# Altium PCB Main_Board.PcbDoc (part 14 of 19) (continued)
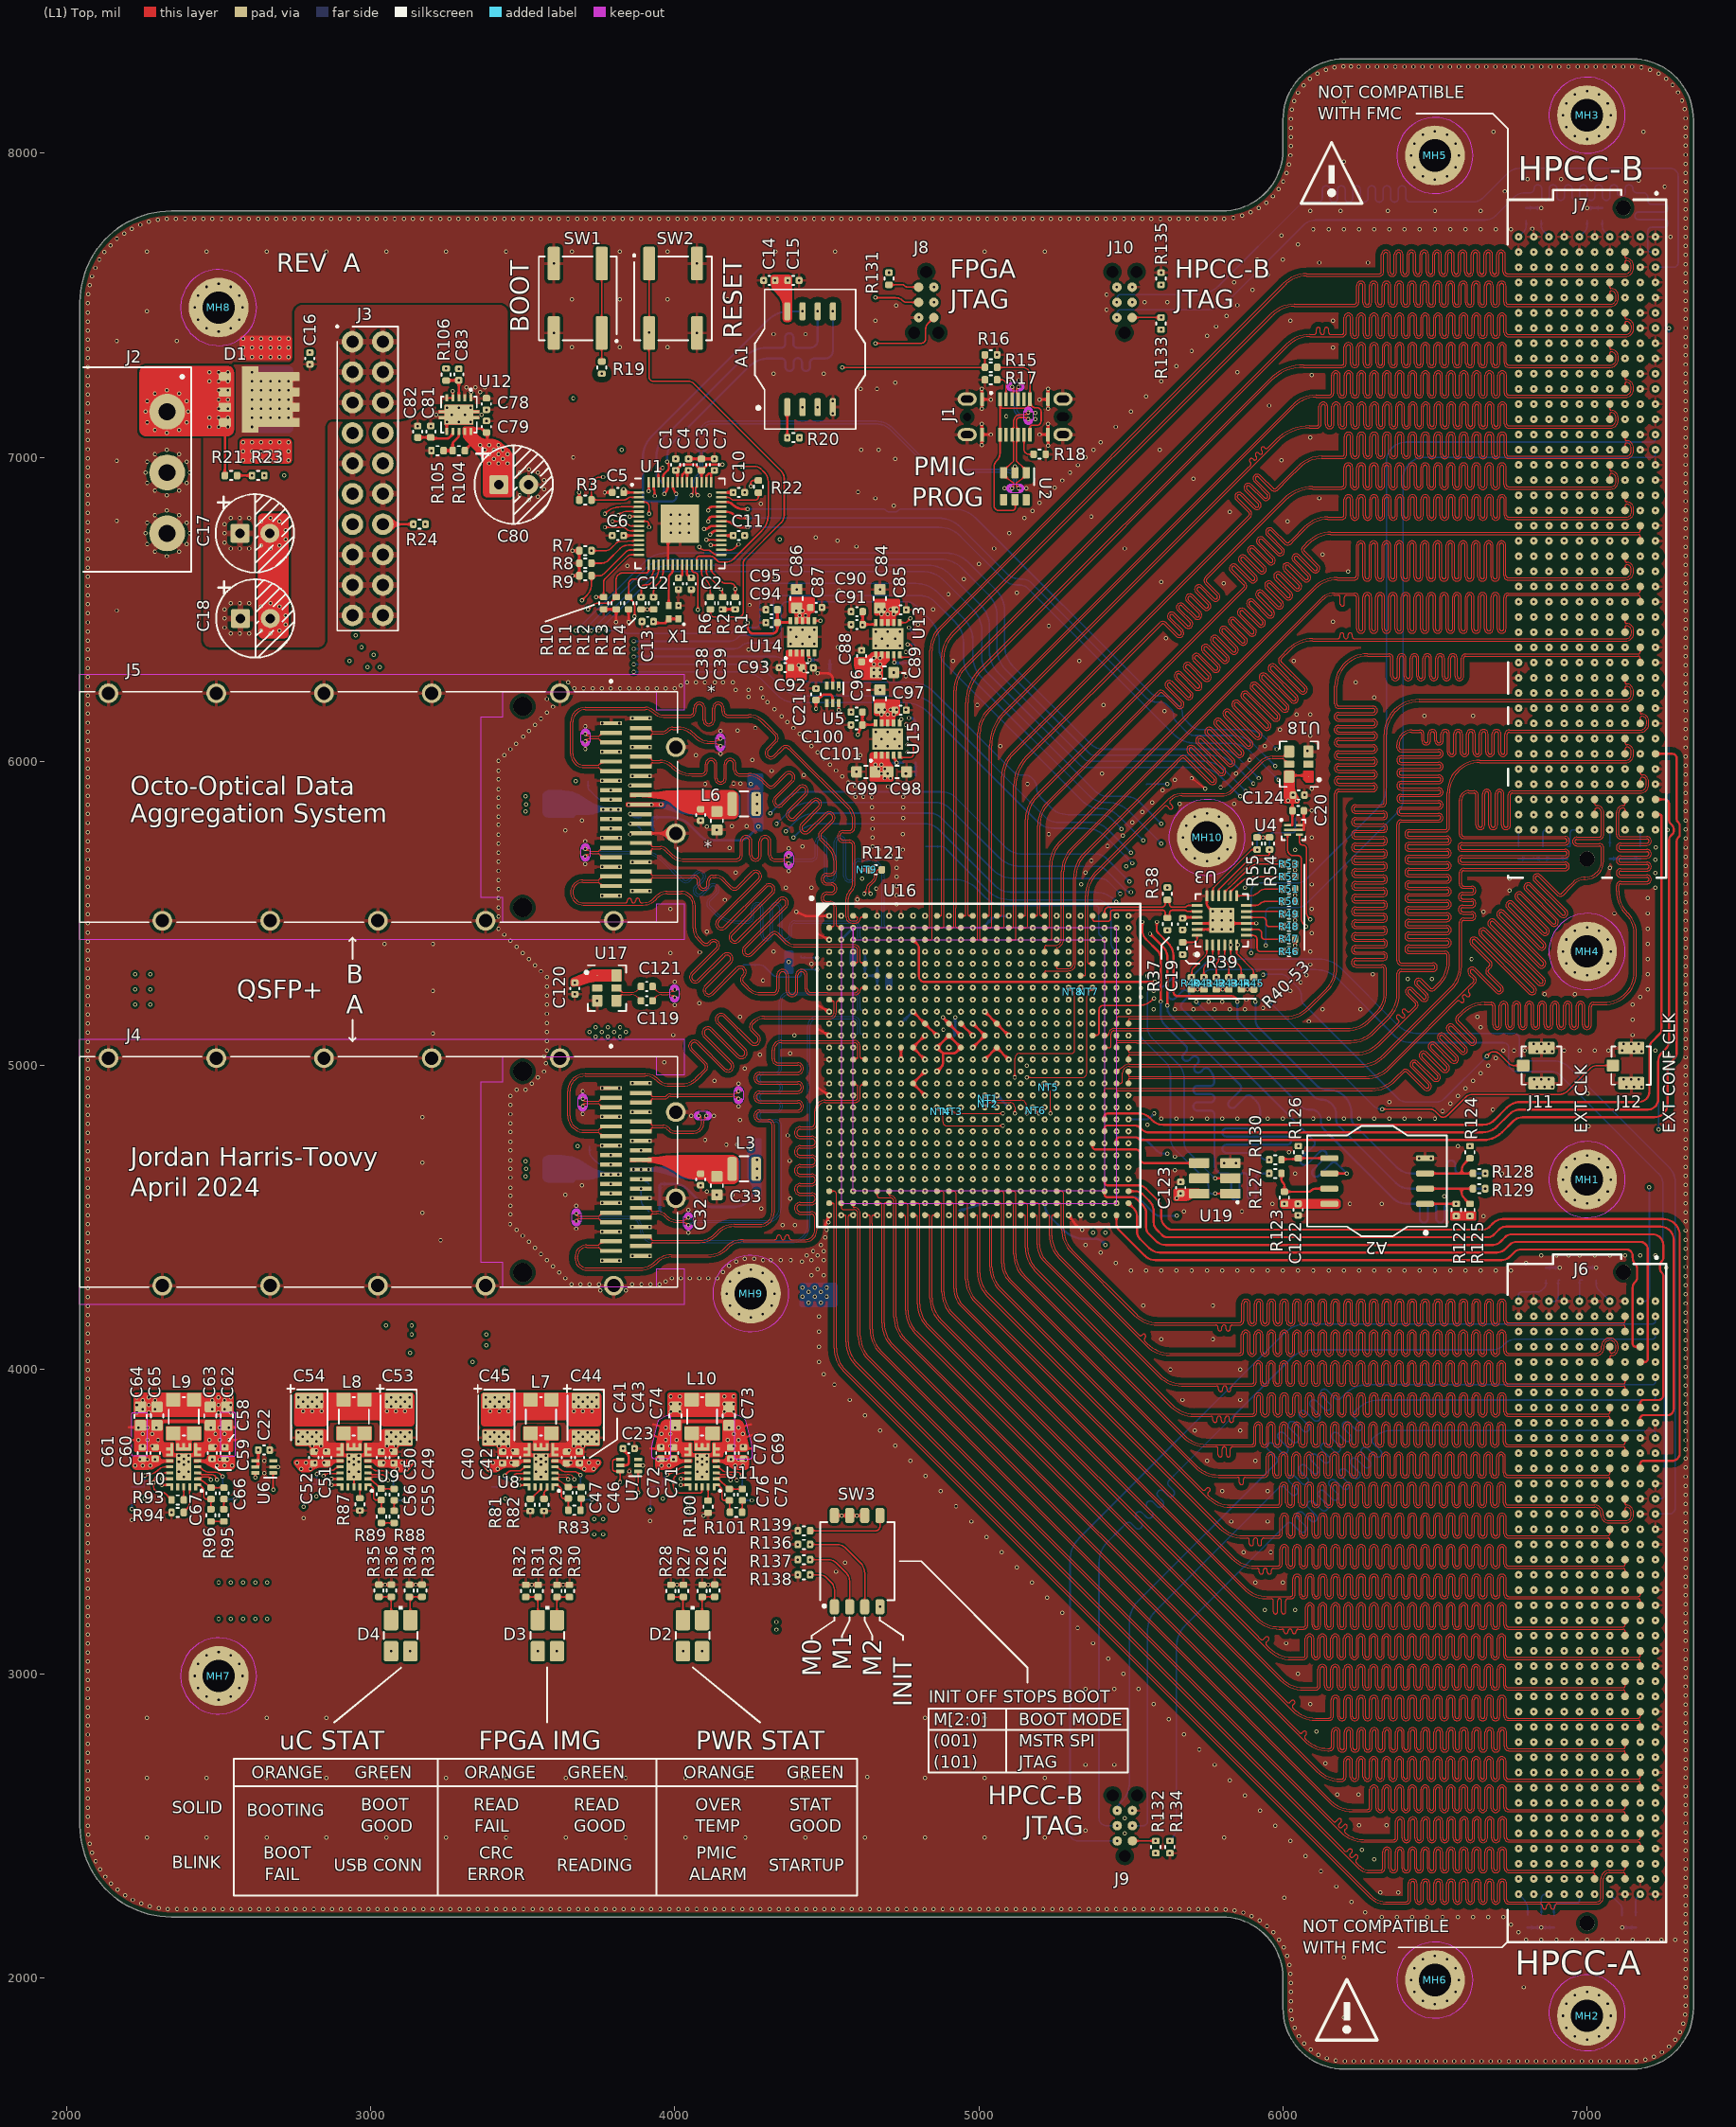
[diagram p0: (L1) Top view]
## Nets (pads, with @x,y where several pads share a name; then routed paths per layer and width w, separated by ;. In a path a pad name is that pad's centre, name@x,y a point inside that pad or via, vN(x,y) a via of type N, cw(c..) or ccw(c..) an arc to the next point about the centre after c; other vN are vias at no path point) (continued)
HPCC_B_52_P: J7.G34 U16.P19 | length 4215.2
  (L10) Inner 9 w3.5: v1(5216.54,4980.31) 5216.54,4962.79 ccw(c5222.67,4962.79) 5222.67,4956.65 5515,4956.65 ccw(c5516.45,4956.65) 5516.45,4955.2 6102.58,4955.2 ccw(c6102.58,5064) 6179.51,4987.07 6356.22,5163.78 ccw(c6289.64,5230.36) 6383.8,5230.36 6383.8,5694.35 6383.8,5721.25 cw(c6390.55,5721.25) 6390.55,5728 6497.42,5728 ccw(c6497.42,5743.55) 6497.42,5759.1 6389.33,5759.1 cw(c6389.33,5765.85) 6389.33,5772.6 6497.42,5772.6 ccw(c6497.42,5788.15) 6497.42,5803.7 6389.33,5803.7 cw(c6389.33,5810.45) 6389.33,5817.2 6497.42,5817.2 ccw(c6497.42,5832.75) 6497.42,5848.3 6389.33,5848.3 cw(c6389.33,5855.05) 6389.33,5861.8 6497.42,5861.8 ccw(c6497.42,5877.35) 6497.42,5892.9 6389.33,5892.9 cw(c6389.33,5899.65) 6389.33,5906.4 6497.42,5906.4 ccw(c6497.42,5921.95) 6497.42,5937.5 6389.33,5937.5 cw(c6389.33,5944.25) 6389.33,5951 6497.42,5951 ccw(c6497.42,5966.55) 6497.42,5982.1 6390.55,5982.1 cw(c6390.55,5988.85) 6383.8,5988.85 6383.8,5995 cw(c6483.8,5995) 6483.8,6095 6931,6095 cw(c6931,6079) 6947,6079 6947,6073 cw(c6929,6073) 6929,6055 cw(c6929,6059) 6925,6059 v1(6925,6075)
HPCC_B_53_N: J7.G39 U16.U20 | length 4405.6
  (L8) Inner 7 w3.5: v1(5255.91,4862.2) 5255.91,4873.68 cw(c5260.22,4873.68) 5260.22,4878 5516.69,4878 cw(c5516.69,4876.29) 5517.9,4877.5 ccw(c5519.11,4878.71) 5519.11,4877 6254.38,4877 ccw(c6254.38,4985.8) 6331.31,4908.87 6343.55,4921.11 6356.44,4934 cw(c6361.21,4929.22) 6365.99,4934 6420.93,4879.05 ccw(c6431.92,4890.05) 6442.92,4879.05 ccw(c6431.92,4890.05) 6442.92,4901.04 6387.8,4956.16 cw(c6392.58,4960.94) 6387.8,4965.71 cw(c6392.58,4960.94) 6397.35,4965.71 6452.47,4910.59 ccw(c6463.46,4921.59) 6474.46,4910.59 ccw(c6463.46,4921.59) 6474.46,4932.58 6419.32,4987.72 cw(c6424.11,4992.47) 6419.33,4997.24 cw(c6424.11,4992.47) 6428.9,4997.23 ; 6428.91,4997.22 6483.98,4942.15 ccw(c6495,4953.12) 6505.99,4942.13 ccw(c6495,4953.12) 6507.28,4962.66 6507.28,4962.83 6450.85,5019.26 cw(c6455.65,5024.01) 6450.88,5028.78 cw(c6455.65,5024.01) 6460.44,5028.77 6515.51,4973.69 ccw(c6526.54,4984.66) 6537.53,4973.66 ccw(c6526.54,4984.66) 6538.82,4994.19 6538.82,4994.37 6482.39,5050.79 cw(c6487.19,5055.55) 6482.41,5060.32 cw(c6487.19,5055.55) 6491.98,5060.3 6547.05,5005.23 ; 6547.06,5005.22 ccw(c6558.07,5016.2) 6569.07,5005.2 ccw(c6558.07,5016.2) 6570.36,5025.73 6570.36,5025.9 6513.93,5082.33 cw(c6518.72,5087.08) 6513.95,5091.86 cw(c6518.72,5087.08) 6523.51,5091.84 6578.59,5036.77 ccw(c6589.61,5047.73) 6600.6,5036.74 ccw(c6589.61,5047.73) 6601.89,5057.27 6601.89,5057.44 6545.47,5113.87 cw(c6550.26,5118.62) 6545.49,5123.39 cw(c6550.26,5118.62) 6555.05,5123.38 ; 6555.06,5123.36 6610.12,5068.3 ; 6610.13,5068.29 ccw(c6621.15,5079.27) 6632.14,5068.27 ccw(c6621.15,5079.27) 6633.43,5088.8 6633.43,5088.98 6577.2,5145.21 cw(c6581.97,5149.98) 6577.2,5154.75 6581.55,5159.1 6680.97,5258.53 6705.69,5283.25 cw(c6710.46,5278.47) 6715.24,5283.25 6760.03,5238.45 ccw(c6771.06,5249.42) 6782.05,5238.42 ccw(c6771.06,5249.42) 6783.34,5258.95 6783.34,5259.13 6736.11,5306.36 cw(c6740.9,5311.11) 6736.13,5315.88 cw(c6740.9,5311.11) 6745.69,5315.87 6791.57,5269.99 ; 6791.58,5269.98 ccw(c6802.59,5280.96) 6813.59,5269.96 ccw(c6802.59,5280.96) 6814.88,5290.49 6814.88,5290.66 6767.64,5337.89 cw(c6772.44,5342.65) 6767.67,5347.42 cw(c6772.44,5342.65) 6777.23,5347.4 6823.11,5301.52 ccw(c6834.13,5312.49) 6845.12,5301.5 ccw(c6834.13,5312.49) 6846.41,5322.03 6846.41,5322.2 6800.3,5368.31 cw(c6805.07,5373.08) 6800.3,5377.86 6804.65,5382.21 6915.16,5492.71 cw(c6985.87,5422) 6985.87,5522 7056.8,5522 ccw(c7056.8,5570) 7104.8,5570 7104.8,5610.63 7104.8,5625.88 cw(c7111.55,5625.88) 7111.55,5632.63 7116.34,5632.63 ccw(c7116.34,5639.38) 7116.34,5646.13 7110.67,5646.13 cw(c7110.67,5652.88) 7110.67,5659.63 7116.34,5659.63 ccw(c7116.34,5666.38) 7116.34,5673.13 7111.55,5673.13 cw(c7111.55,5679.88) 7104.8,5679.88 7104.8,5690 ccw(c7053,5690) 7053,5741.8 6936.2,5741.8 cw(c6936.2,5773) 6905,5773 6904.8,5773 6904.8,5830.8 cw(c6920,5830.8) 6920,5846 cw(c6920,5841) 6925,5841 v1(6925,5825)
HPCC_B_53_P: J7.G38 U16.U19 | length 4399.3
  (L8) Inner 7 w3.5: v1(5216.54,4862.2) 5216.54,4879 cw(c5222.88,4879) 5222.88,4885.35 5517.4,4885.35 cw(c5518.49,4884.26) 5518.49,4885.8 6254.38,4885.8 ccw(c6254.38,4985.8) 6325.09,4915.09 6337.33,4927.33 6350.22,4940.22 cw(c6361.21,4929.22) 6372.21,4940.22 6427.15,4885.28 ccw(c6431.92,4890.05) 6436.7,4885.28 ccw(c6431.92,4890.05) 6436.7,4894.82 6381.58,4949.94 cw(c6392.58,4960.94) 6381.58,4971.93 cw(c6392.58,4960.94) 6403.57,4971.93 6458.69,4916.81 ccw(c6463.46,4921.59) 6468.23,4916.81 ccw(c6463.46,4921.59) 6468.23,4926.36 6413.14,4981.45 cw(c6424.11,4992.47) 6413.1,5003.45 ; 6413.13,5003.48 cw(c6424.11,4992.47) 6433.65,5004.76 ; 6433.82,5004.76 6490.25,4948.33 ccw(c6495,4953.12) 6499.77,4948.35 ccw(c6495,4953.12) 6499.75,4957.91 6444.68,5012.99 ; 6444.67,5013 cw(c6455.65,5024.01) 6444.65,5035 cw(c6455.65,5024.01) 6465.18,5036.29 ; 6465.36,5036.29 6521.78,4979.86 ccw(c6526.54,4984.66) 6531.31,4979.89 ccw(c6526.54,4984.66) 6531.29,4989.45 6476.22,5044.52 ; 6476.21,5044.53 cw(c6487.19,5055.55) 6476.19,5066.54 cw(c6487.19,5055.55) 6496.72,5067.83 ; 6496.89,5067.83 6553.32,5011.4 ccw(c6558.07,5016.2) 6562.84,5011.42 ccw(c6558.07,5016.2) 6562.83,5020.99 ; 6528.26,5099.37 ccw(c6518.72,5087.08) 6507.73,5098.08 ccw(c6518.72,5087.08) 6507.74,5076.07 6562.82,5021 ; 6528.43,5099.37 6584.86,5042.94 ccw(c6589.61,5047.73) 6594.38,5042.96 ccw(c6589.61,5047.73) 6594.37,5052.52 ; 6559.79,5130.9 ccw(c6550.26,5118.62) 6539.26,5129.61 ccw(c6550.26,5118.62) 6539.28,5107.61 6594.35,5052.53 ; 6559.97,5130.9 6616.39,5074.48 ccw(c6621.15,5079.27) 6625.92,5074.5 ccw(c6621.15,5079.27) 6625.9,5084.06 6571,5138.96 cw(c6581.97,5149.98) 6570.98,5160.98 6575.33,5165.33 6674.75,5264.75 6699.47,5289.47 cw(c6710.46,5278.47) 6721.46,5289.47 6766.3,5244.62 ccw(c6771.06,5249.42) 6775.83,5244.65 ccw(c6771.06,5249.42) 6775.81,5254.21 6729.93,5300.09 ; 6729.92,5300.1 cw(c6740.9,5311.11) 6729.91,5322.1 cw(c6740.9,5311.11) 6750.44,5323.39 6750.61,5323.39 6797.84,5276.16 ccw(c6802.59,5280.96) 6807.37,5276.18 ccw(c6802.59,5280.96) 6807.35,5285.74 6761.47,5331.62 ; 6761.46,5331.63 cw(c6772.44,5342.65) 6761.44,5353.64 cw(c6772.44,5342.65) 6781.97,5354.93 6782.15,5354.93 6829.38,5307.7 ccw(c6834.13,5312.49) 6838.9,5307.72 ccw(c6834.13,5312.49) 6838.89,5317.28 ; 6838.87,5317.29 6794.11,5362.06 cw(c6805.07,5373.08) 6794.08,5384.08 6798.43,5388.43 6908.93,5498.93 cw(c6985.87,5422) 6985.87,5530.8 7056.8,5530.8 ccw(c7056.8,5570) 7096,5570 7096,5690 ccw(c7053,5690) 7053,5733 6932.55,5733 cw(c6932.55,5769.55) 6896,5769.55 6896,5830.8 cw(c6920,5830.8) 6920,5854.8 ccw(c6920,5859.8) 6925,5859.8 v1(6925,5875)
HPCC_B_54_N: J7.H5 U16.G9 | length 4118.3
  (L10) Inner 9 w3.5: v1(4822.83,5255.91) 4835.34,5255.91 ccw(c4835.34,5259.41) 4837.82,5256.93 ccw(c4835.34,5259.41) 4838.84,5259.41 4838.84,6306.22 cw(c4947.64,6306.22) 4870.71,6383.16 6060.49,7572.93 cw(c6137.42,7496) 6137.42,7604.8 6566.97,7604.8 6606.75,7604.8 ccw(c6606.75,7611.55) 6613.5,7611.55 6613.5,7654.6 cw(c6629.05,7654.6) 6644.6,7654.6 6644.6,7609.24 ccw(c6651.35,7609.24) 6658.1,7609.24 6658.1,7654.6 cw(c6673.65,7654.6) 6689.2,7654.6 6689.2,7609.24 ccw(c6695.95,7609.24) 6702.7,7609.24 6702.7,7654.6 cw(c6718.25,7654.6) 6733.8,7654.6 6733.8,7611.55 ccw(c6740.55,7611.55) 6740.55,7604.8 6769,7604.8 6883,7604.8 cw(c6883,7582) 6905.8,7582 6905.8,7572 cw(c6880,7572) 6880,7546.2 ccw(c6880,7541.2) 6875,7541.2 v1(6875,7525)
HPCC_B_54_P: J7.H4 U16.G10 | length 4119.9
  (L10) Inner 9 w3.5: v1(4862.2,5255.91) 4849.69,5255.91 cw(c4849.69,5259.41) 4847.22,5256.93 cw(c4849.69,5259.41) 4846.19,5259.41 4846.19,5516.23 cw(c4848.67,5516.23) 4846.92,5517.98 ccw(c4845.17,5519.73) 4847.64,5519.73 4847.64,6306.22 cw(c4947.64,6306.22) 4876.93,6376.93 6066.71,7566.71 cw(c6137.42,7496) 6137.42,7596 6489.03,7596 6504.28,7596 cw(c6504.28,7589.25) 6511.03,7589.25 6511.03,7586.7 ccw(c6517.78,7586.7) 6524.53,7586.7 6524.53,7590.7 cw(c6531.28,7590.7) 6538.03,7590.7 6538.03,7586.7 ccw(c6544.78,7586.7) 6551.53,7586.7 6551.53,7589.25 cw(c6558.28,7589.25) 6558.28,7596 6566.97,7596 6606.75,7596 ccw(c6606.75,7611.55) 6622.3,7611.55 6622.3,7654.6 cw(c6629.05,7654.6) 6635.8,7654.6 6635.8,7609.24 ccw(c6651.35,7609.24) 6666.9,7609.24 6666.9,7654.6 cw(c6673.65,7654.6) 6680.4,7654.6 6680.4,7609.24 ccw(c6695.95,7609.24) 6711.5,7609.24 6711.5,7654.6 cw(c6718.25,7654.6) 6725,7654.6 6725,7611.55 ccw(c6740.55,7611.55) 6740.55,7596 6769,7596 6883,7596 cw(c6883,7582) 6897,7582 6897,7572 cw(c6880,7572) 6880,7555 cw(c6880,7560) 6875,7560 v1(6875,7575)
HPCC_B_55_N: J7.H9 U16.F10 | length 4082.6
  (L10) Inner 9 w3.5: v1(4862.2,5295.28) 4862,5295.28 4862,5282 ccw(c4866,5282) 4866,5278 4908,5278 ccw(c4908,5287.82) 4917.82,5287.82 4917.82,6175.2 cw(c5026.62,6175.2) 4949.69,6252.14 6070.49,7372.93 cw(c6147.42,7296) 6147.42,7404.8 6485.62,7404.8 6520.22,7404.8 ccw(c6520.22,7411.55) 6526.97,7411.55 6526.97,7447.99 cw(c6542.52,7447.99) 6558.07,7447.99 6558.07,7408.45 ccw(c6564.82,7408.45) 6571.57,7408.45 6571.57,7447.99 cw(c6587.12,7447.99) 6602.67,7447.99 6602.67,7408.45 ccw(c6609.42,7408.45) 6616.17,7408.45 6616.17,7447.99 cw(c6631.72,7447.99) 6647.27,7447.99 6647.27,7408.45 ccw(c6654.02,7408.45) 6660.77,7408.45 6660.77,7447.99 cw(c6676.32,7447.99) 6691.87,7447.99 6691.87,7408.45 ccw(c6698.62,7408.45) 6705.37,7408.45 6705.37,7447.99 cw(c6720.92,7447.99) 6736.47,7447.99 6736.47,7411.55 ccw(c6743.22,7411.55) 6743.22,7404.8 6771.67,7404.8 6882,7404.8 cw(c6882,7381) 6905.8,7381 6905.8,7371 cw(c6880,7371) 6880,7345.2 ccw(c6880,7340.2) 6875,7340.2 v1(6875,7325)
HPCC_B_55_P: J7.H8 U16.G11 | length 4086.3
  (L10) Inner 9 w3.5: v1(4901.57,5255.91) 4901.57,5267.15 cw(c4905.07,5267.15) 4905.07,5270.65 4908,5270.65 ccw(c4908,5287.82) 4911.42,5270.99 ccw(c4908,5287.82) 4925.17,5287.82 4925.17,5516.23 cw(c4927.65,5516.23) 4925.9,5517.98 ccw(c4924.15,5519.73) 4926.62,5519.73 4926.62,6175.2 cw(c5026.62,6175.2) 4955.91,6245.91 6076.71,7366.71 cw(c6147.42,7296) 6147.42,7396 6390.48,7396 6405.73,7396 cw(c6405.73,7389.25) 6412.48,7389.25 6412.48,7379 ccw(c6419.23,7379) 6425.98,7379 6425.98,7390.58 cw(c6432.73,7390.58) 6439.48,7390.58 6439.48,7379 ccw(c6446.23,7379) 6452.98,7379 6452.98,7389.25 cw(c6459.73,7389.25) 6459.73,7396 6469,7396 6485.62,7396 6520.22,7396 ccw(c6520.22,7411.55) 6535.77,7411.55 6535.77,7447.99 cw(c6542.52,7447.99) 6549.27,7447.99 6549.27,7408.45 ccw(c6564.82,7408.45) 6580.37,7408.45 6580.37,7447.99 cw(c6587.12,7447.99) 6593.87,7447.99 6593.87,7408.45 ccw(c6609.42,7408.45) 6624.97,7408.45 6624.97,7447.99 cw(c6631.72,7447.99) 6638.47,7447.99 6638.47,7408.45 ccw(c6654.02,7408.45) 6669.57,7408.45 6669.57,7447.99 cw(c6676.32,7447.99) 6683.07,7447.99 6683.07,7408.45 ccw(c6698.62,7408.45) 6714.17,7408.45 6714.17,7447.99 cw(c6720.92,7447.99) 6727.67,7447.99 6727.67,7411.55 ccw(c6743.22,7411.55) 6743.22,7396 6771.67,7396 6882,7396 cw(c6882,7381) 6897,7381 6897,7371 cw(c6880,7371) 6880,7354 cw(c6880,7359) 6875,7359 v1(6875,7375)
HPCC_B_56_N: J7.H13 U16.F13 | length 4123.6
  (L10) Inner 9 w3.5: v1(4980.31,5295.28) 4992.82,5295.28 ccw(c4992.82,5298.78) 4995.3,5296.3 ccw(c4992.82,5298.78) 4996.32,5298.78 4996.32,6033.7 cw(c5105.12,6033.7) 5028.19,6110.64 6090.49,7172.93 cw(c6167.42,7096) 6167.42,7204.8 6424.65,7204.8 6430.8,7204.8 ccw(c6430.8,7211.55) 6437.55,7211.55 6437.55,7260.48 cw(c6453.1,7260.48) 6468.65,7260.48 6468.65,7210.68 ccw(c6475.4,7210.68) 6482.15,7210.68 6482.15,7260.48 cw(c6497.7,7260.48) 6513.25,7260.48 6513.25,7210.68 ccw(c6520,7210.68) 6526.75,7210.68 6526.75,7260.48 cw(c6542.3,7260.48) 6557.85,7260.48 6557.85,7210.68 ccw(c6564.6,7210.68) 6571.35,7210.68 6571.35,7260.48 cw(c6586.9,7260.48) 6602.45,7260.48 6602.45,7210.68 ccw(c6609.2,7210.68) 6615.95,7210.68 6615.95,7260.48 cw(c6631.5,7260.48) 6647.05,7260.48 6647.05,7210.68 ccw(c6653.8,7210.68) 6660.55,7210.68 6660.55,7260.48 cw(c6676.1,7260.48) 6691.65,7260.48 6691.65,7210.68 ccw(c6698.4,7210.68) 6705.15,7210.68 6705.15,7260.48 cw(c6720.7,7260.48) 6736.25,7260.48 6736.25,7211.55 ccw(c6743,7211.55) 6743,7204.8 6767.65,7204.8 6878,7204.8 cw(c6878,7177) 6905.8,7177 6905.8,7172 cw(c6880,7172) 6880,7146.2 ccw(c6880,7141.2) 6875,7141.2 v1(6875,7125)
HPCC_B_56_P: J7.H12 U16.F14 | length 4127.1
  (L10) Inner 9 w3.5: 5003.67,5298.78 ccw(c5007.18,5298.78) 5004.7,5296.3 ccw(c5007.17,5298.78) 5007.17,5295.28 v1(5019.69,5295.28) ; 5003.68,5298.78 5003.68,5516.23 cw(c5006.15,5516.23) 5004.4,5517.98 ccw(c5002.65,5519.73) 5005.12,5519.73 5005.12,6033.7 cw(c5105.12,6033.7) 5034.41,6104.41 6096.71,7166.71 cw(c6167.42,7096) 6167.42,7196 6357.5,7196 6372.75,7196 cw(c6372.75,7189.25) 6379.5,7189.25 6379.5,7174.08 ccw(c6386.25,7174.08) 6393,7174.08 6393,7189.25 cw(c6399.75,7189.25) 6399.75,7196 6411.53,7196 6424.65,7196 6430.8,7196 ccw(c6430.8,7211.55) 6446.35,7211.55 6446.35,7260.48 cw(c6453.1,7260.48) 6459.85,7260.48 6459.85,7210.68 ccw(c6475.4,7210.68) 6490.95,7210.68 6490.95,7260.48 cw(c6497.7,7260.48) 6504.45,7260.48 6504.45,7210.68 ccw(c6520,7210.68) 6535.55,7210.68 6535.55,7260.48 cw(c6542.3,7260.48) 6549.05,7260.48 6549.05,7210.68 ccw(c6564.6,7210.68) 6580.15,7210.68 6580.15,7260.48 cw(c6586.9,7260.48) 6593.65,7260.48 6593.65,7210.68 ccw(c6609.2,7210.68) 6624.75,7210.68 6624.75,7260.48 cw(c6631.5,7260.48) 6638.25,7260.48 6638.25,7210.68 ccw(c6653.8,7210.68) 6669.35,7210.68 6669.35,7260.48 cw(c6676.1,7260.48) 6682.85,7260.48 6682.85,7210.68 ccw(c6698.4,7210.68) 6713.95,7210.68 6713.95,7260.48 cw(c6720.7,7260.48) 6727.45,7260.48 6727.45,7211.55 ccw(c6743,7211.55) 6743,7196 6767.65,7196 6878,7196 cw(c6878,7177) 6897,7177 6897,7172 cw(c6880,7172) 6880,7155 cw(c6880,7160) 6875,7160 v1(6875,7175)
HPCC_B_57_N: J7.H17 U16.F15 | length 3997.6
  (L10) Inner 9 w3.5: v1(5059.06,5295.28) 5069.87,5295.28 ccw(c5069.87,5300.4) 5075,5300.4 5075,5892.38 cw(c5183.8,5892.38) 5106.87,5969.31 6109.35,6971.79 cw(c6186.28,6894.86) 6186.28,7003.66 6347.31,7003.66 6382.95,7003.66 cw(c6382.95,6988.11) 6398.5,6988.11 6398.5,6939.21 ccw(c6405.25,6939.21) 6412,6939.21 6412,6988.53 cw(c6427.55,6988.53) 6443.1,6988.53 6443.1,6939.21 ccw(c6449.85,6939.21) 6456.6,6939.21 6456.6,6988.53 cw(c6472.15,6988.53) 6487.7,6988.53 6487.7,6939.21 ccw(c6494.45,6939.21) 6501.2,6939.21 6501.2,6988.53 cw(c6516.75,6988.53) 6532.3,6988.53 6532.3,6939.21 ccw(c6539.05,6939.21) 6545.8,6939.21 6545.8,6988.53 cw(c6561.35,6988.53) 6576.9,6988.53 6576.9,6939.21 ccw(c6583.65,6939.21) 6590.4,6939.21 6590.4,6988.53 cw(c6605.95,6988.53) 6621.5,6988.53 6621.5,6939.21 ccw(c6628.25,6939.21) 6635,6939.21 6635,6988.53 cw(c6650.55,6988.53) 6666.1,6988.53 6666.1,6939.21 ccw(c6672.85,6939.21) 6679.6,6939.21 6679.6,6988.53 cw(c6695.15,6988.53) 6710.7,6988.53 6710.7,6939.21 ccw(c6717.45,6939.21) 6724.2,6939.21 6724.2,6988.11 cw(c6739.75,6988.11) 6739.75,7003.66 6745.9,7003.66 6886.14,7003.66 cw(c6886.14,6985) 6904.8,6985 6904.8,6972 cw(c6879,6972) 6879,6946.2 ccw(c6879,6942.2) 6875,6942.2 v1(6875,6925)
HPCC_B_57_P: J7.H16 U16.G15 | length 4002.2
  (L10) Inner 9 w3.5: v1(5059.06,5255.91) 5077.62,5255.91 ccw(c5077.62,5260.64) 5082.35,5260.64 5082.35,5516.23 cw(c5084.83,5516.23) 5083.07,5517.98 ; 5083.08,5517.98 ccw(c5081.32,5519.73) 5083.8,5519.73 5083.8,5892.38 cw(c5183.8,5892.38) 5113.09,5963.09 6115.57,6965.57 cw(c6186.28,6894.86) 6186.28,6994.86 6347.31,6994.86 6382.95,6994.86 cw(c6382.95,6988.11) 6389.7,6988.11 6389.7,6939.21 ccw(c6405.25,6939.21) 6420.8,6939.21 6420.8,6988.53 cw(c6427.55,6988.53) 6434.3,6988.53 6434.3,6939.21 ccw(c6449.85,6939.21) 6465.4,6939.21 6465.4,6988.53 cw(c6472.15,6988.53) 6478.9,6988.53 6478.9,6939.21 ccw(c6494.45,6939.21) 6510,6939.21 6510,6988.53 cw(c6516.75,6988.53) 6523.5,6988.53 6523.5,6939.21 ccw(c6539.05,6939.21) 6554.6,6939.21 6554.6,6988.53 cw(c6561.35,6988.53) 6568.1,6988.53 6568.1,6939.21 ccw(c6583.65,6939.21) 6599.2,6939.21 6599.2,6988.53 cw(c6605.95,6988.53) 6612.7,6988.53 6612.7,6939.21 ccw(c6628.25,6939.21) 6643.8,6939.21 6643.8,6988.53 cw(c6650.55,6988.53) 6657.3,6988.53 6657.3,6939.21 ccw(c6672.85,6939.21) 6688.4,6939.21 6688.4,6988.53 cw(c6695.15,6988.53) 6701.9,6988.53 6701.9,6939.21 ccw(c6717.45,6939.21) 6733,6939.21 6733,6988.11 cw(c6739.75,6988.11) 6739.75,6994.86 6745.9,6994.86 6886.14,6994.86 cw(c6886.14,6985) 6896,6985 6896,6972 cw(c6879,6972) 6879,6955 cw(c6879,6959) 6875,6959 v1(6875,6975)
HPCC_B_58_N: J7.H21 U16.J16 | length 4316.9
  (L3) Inner 2 w3.5: v1(5098.43,5177.17) 5085.92,5177.17 cw(c5085.92,5180.67) 5083.44,5178.19 cw(c5085.92,5180.67) 5082.42,5180.67 5082.42,5670.99 cw(c5182.42,5670.99) 5111.7,5741.7 5717.25,6347.25 5755.28,6385.28 cw(c5760.06,6380.51) 5764.83,6385.28 5809.28,6340.83 ; 5809.29,6340.82 ccw(c5820.3,6351.8) 5831.3,6340.8 ccw(c5820.3,6351.8) 5832.59,6361.33 5832.59,6361.5 5785.9,6408.2 cw(c5790.69,6412.95) 5785.92,6417.72 cw(c5790.69,6412.95) 5795.48,6417.7 5840.82,6372.37 ; 5827.02,6449.24 ccw(c5822.23,6444.48) 5817.46,6449.26 ccw(c5822.23,6444.48) 5817.43,6439.73 5864.13,6393.04 5864.13,6392.87 cw(c5851.84,6383.33) 5862.84,6372.34 cw(c5851.84,6383.33) 5840.83,6372.35 ; 5827.03,6449.23 5872.36,6403.9 ccw(c5883.38,6414.87) 5894.37,6403.88 ccw(c5883.38,6414.87) 5895.66,6424.41 5895.66,6424.58 5848.97,6471.27 cw(c5853.77,6476.02) 5848.99,6480.79 cw(c5853.77,6476.02) 5858.55,6480.78 ; 5858.57,6480.77 5903.89,6435.44 ccw(c5914.92,6446.41) 5925.91,6435.41 ccw(c5914.92,6446.41) 5927.2,6455.94 5927.2,6456.11 5880.51,6502.81 cw(c5885.3,6507.56) 5880.53,6512.33 cw(c5885.3,6507.56) 5890.09,6512.31 5935.43,6466.98 ; 5935.44,6466.97 ccw(c5946.45,6477.94) 5957.45,6466.95 ccw(c5946.45,6477.94) 5958.74,6487.48 5958.74,6487.65 5912.04,6534.34 cw(c5916.84,6539.09) 5912.07,6543.87 cw(c5916.84,6539.09) 5921.63,6543.85 5966.97,6498.51 ; 5953.16,6575.39 ccw(c5948.38,6570.63) 5943.6,6575.4 ccw(c5948.38,6570.63) 5943.58,6565.88 5990.27,6519.19 5990.27,6519.02 cw(c5977.99,6509.48) 5988.98,6498.49 cw(c5977.99,6509.48) 5966.98,6498.5 ; 5953.18,6575.38 5998.5,6530.05 ccw(c6009.53,6541.02) 6020.52,6530.02 ccw(c6009.53,6541.02) 6021.81,6550.55 6021.81,6550.73 5975.12,6597.42 cw(c5979.91,6602.17) 5975.14,6606.94 cw(c5979.91,6602.17) 5984.7,6606.92 6030.04,6561.59 ccw(c6041.06,6572.56) 6052.06,6561.56 ccw(c6041.06,6572.56) 6053.35,6582.09 6053.35,6582.26 6006.65,6628.95 cw(c6011.45,6633.7) 6006.68,6638.48 cw(c6011.45,6633.71) 6016.24,6638.46 6061.58,6593.12 ccw(c6072.6,6604.09) 6083.59,6593.1 ccw(c6072.6,6604.09) 6084.88,6613.63 6084.88,6613.8 6038.19,6660.49 cw(c6042.99,6665.24) 6038.21,6670.01 cw(c6042.99,6665.24) 6047.78,6670 6093.11,6624.66 ccw(c6104.14,6635.63) 6115.13,6624.63 ccw(c6104.14,6635.63) 6116.42,6645.16 6116.42,6645.34 6070.65,6691.11 cw(c6075.42,6695.88) 6070.65,6700.65 6075,6705 6086.31,6716.31 cw(c6157.02,6645.6) 6157.02,6745.6 6871.5,6745.6 cw(c6871.5,6742.1) 6873.97,6744.57 cw(c6871.5,6742.1) 6875,6742.1 v1(6875,6725)
HPCC_B_58_P: J7.H20 U16.J15 | length 4331
  (L3) Inner 2 w3.5: v1(5059.06,5177.17) 5071.57,5177.17 ccw(c5071.57,5180.67) 5074.04,5178.19 ccw(c5071.56,5180.67) 5075.07,5180.67 5075.07,5516.23 ccw(c5072.59,5516.23) 5074.34,5517.98 cw(c5076.09,5519.73) 5073.62,5519.73 5073.62,5670.99 cw(c5182.42,5670.99) 5105.48,5747.93 5711.02,6353.47 5749.06,6391.51 cw(c5760.06,6380.51) 5771.05,6391.51 5815.55,6347 ccw(c5820.3,6351.8) 5825.08,6347.02 ccw(c5820.3,6351.8) 5825.06,6356.59 5779.72,6401.92 ; 5779.71,6401.94 cw(c5790.69,6412.95) 5779.7,6423.94 cw(c5790.69,6412.95) 5800.23,6425.23 5800.4,6425.23 5847.09,6378.54 ccw(c5851.84,6383.33) 5856.61,6378.56 ccw(c5851.84,6383.33) 5856.6,6388.12 ; 5856.59,6388.13 5811.26,6433.46 cw(c5822.23,6444.48) 5811.23,6455.48 cw(c5822.23,6444.48) 5831.76,6456.77 5831.94,6456.77 5878.63,6410.08 ccw(c5883.38,6414.87) 5888.15,6410.1 ccw(c5883.38,6414.87) 5888.14,6419.66 ; 5874.32,6496.55 cw(c5885.3,6507.56) 5874.31,6518.55 cw(c5885.3,6507.56) 5894.84,6519.84 5895.01,6519.84 5941.7,6473.15 ccw(c5946.45,6477.94) 5951.22,6473.17 ccw(c5946.45,6477.94) 5951.21,6482.73 5905.87,6528.07 ; 5874.33,6496.53 5919.66,6451.21 cw(c5914.92,6446.41) 5919.69,6441.63 cw(c5914.92,6446.41) 5910.16,6441.61 5863.47,6488.31 5863.3,6488.31 ccw(c5853.77,6476.02) 5842.77,6487.02 ccw(c5853.77,6476.02) 5842.79,6465.01 5888.12,6419.67 ; 5905.86,6528.08 cw(c5916.84,6539.09) 5905.84,6550.09 cw(c5916.84,6539.09) 5926.37,6551.38 5926.55,6551.38 5973.24,6504.69 ccw(c5977.99,6509.48) 5982.76,6504.71 ccw(c5977.99,6509.48) 5982.75,6514.27 ; 5982.73,6514.28 5937.41,6559.61 cw(c5948.38,6570.63) 5937.38,6581.63 cw(c5948.38,6570.63) 5957.91,6582.92 5958.08,6582.92 6004.77,6536.22 ccw(c6009.53,6541.02) 6014.3,6536.25 ccw(c6009.53,6541.02) 6014.28,6545.81 ; 6000.47,6622.69 cw(c6011.45,6633.7) 6000.45,6644.7 cw(c6011.45,6633.71) 6020.98,6645.99 6021.16,6645.99 6067.85,6599.3 ccw(c6072.6,6604.09) 6077.37,6599.32 ccw(c6072.6,6604.09) 6077.36,6608.88 6032.02,6654.22 ; 6000.48,6622.68 6045.81,6577.36 cw(c6041.06,6572.56) 6045.84,6567.78 cw(c6041.06,6572.56) 6036.31,6567.76 5989.62,6614.45 5989.45,6614.45 ccw(c5979.91,6602.17) 5968.92,6613.16 ccw(c5979.91,6602.17) 5968.93,6591.16 6014.27,6545.82 ; 6032.01,6654.23 cw(c6042.99,6665.24) 6031.99,6676.24 cw(c6042.99,6665.24) 6052.52,6677.53 6052.69,6677.53 6099.39,6630.83 ccw(c6104.14,6635.63) 6108.91,6630.86 ccw(c6104.14,6635.63) 6108.89,6640.42 ; 6108.88,6640.43 6064.46,6684.86 cw(c6075.42,6695.88) 6064.43,6706.87 6068.78,6711.22 6080.09,6722.53 cw(c6157.02,6645.6) 6157.02,6754.4 6871.5,6754.4 ccw(c6871.5,6757.9) 6873.97,6755.43 ccw(c6871.5,6757.9) 6875,6757.9 v1(6875,6775)
HPCC_B_59_N: J7.H25 U16.N17 | length 4505.9
  (L3) Inner 2 w3.5: v1(5137.8,5019.69) ccw(c5136.34,5016.5) 5136.37,5020 5127,5020 cw(c5127,5024.93) 5122.07,5024.93 5122.07,5055 5122.11,5059.22 cw(c5137.8,5059.06) 5136.97,5074.72 5143.13,5075.04 5862.42,5075.05 ccw(c5862.42,5183.85) 5939.36,5106.91 6106.93,5274.49 ccw(c6051.25,5330.18) 6130,5330.18 6130,6445 cw(c6230,6445) 6230,6545 6374.65,6545 6429.65,6545 cw(c6429.65,6538.25) 6436.4,6538.25 6436.4,6454.57 ccw(c6451.95,6454.57) 6467.5,6454.57 6467.5,6541.18 cw(c6474.25,6541.18) 6481,6541.18 6481,6454.57 ccw(c6496.55,6454.57) 6512.1,6454.57 6512.1,6541.18 cw(c6518.85,6541.18) 6525.6,6541.18 6525.6,6454.57 ccw(c6541.15,6454.57) 6556.7,6454.57 6556.7,6541.18 cw(c6563.45,6541.18) 6570.2,6541.18 6570.2,6454.57 ccw(c6585.75,6454.57) 6601.3,6454.57 6601.3,6541.18 cw(c6608.05,6541.18) 6614.8,6541.18 6614.8,6454.57 ccw(c6630.35,6454.57) 6645.9,6454.57 6645.9,6541.18 cw(c6652.65,6541.18) 6659.4,6541.18 6659.4,6454.57 ccw(c6674.95,6454.57) 6690.5,6454.57 6690.5,6541.18 cw(c6697.25,6541.18) 6704,6541.18 6704,6454.57 ccw(c6719.55,6454.57) 6735.1,6454.57 6735.1,6538.25 cw(c6741.85,6538.25) 6741.85,6545 6748,6545 6870,6545 cw(c6870,6540) 6875,6540 v1(6875,6525)
HPCC_B_59_P: J7.H24 U16.P16 | length 4560.4
  (L3) Inner 2 w3.5: v1(5098.43,4980.31) 5098.43,4980 5111,4980 ccw(c5111,4983.72) 5114.72,4983.72 5114.72,5055.04 5114.76,5059.29 cw(c5137.8,5059.06) 5136.58,5082.06 5142.74,5082.38 cw(c5143.13,5075.05) 5143.08,5082.4 5516.23,5082.4 ccw(c5516.23,5084.87) 5517.98,5083.12 cw(c5519.73,5081.37) 5519.73,5083.85 5862.42,5083.85 ccw(c5862.42,5183.85) 5933.13,5113.13 6100.71,5280.71 ccw(c6051.25,5330.18) 6121.2,5330.18 6121.2,6445 cw(c6230,6445) 6230,6553.8 6374.65,6553.8 6429.65,6553.8 cw(c6429.65,6538.25) 6445.2,6538.25 6445.2,6454.57 ccw(c6451.95,6454.57) 6458.7,6454.57 6458.7,6541.18 cw(c6474.25,6541.18) 6489.8,6541.18 6489.8,6454.57 ccw(c6496.55,6454.57) 6503.3,6454.57 6503.3,6541.18 cw(c6518.85,6541.18) 6534.4,6541.18 6534.4,6454.57 ccw(c6541.15,6454.57) 6547.9,6454.57 6547.9,6541.18 cw(c6563.45,6541.18) 6579,6541.18 6579,6454.57 ccw(c6585.75,6454.57) 6592.5,6454.57 6592.5,6541.18 cw(c6608.05,6541.18) 6623.6,6541.18 6623.6,6454.57 ccw(c6630.35,6454.57) 6637.1,6454.57 6637.1,6541.18 cw(c6652.65,6541.18) 6668.2,6541.18 6668.2,6454.57 ccw(c6674.95,6454.57) 6681.7,6454.57 6681.7,6541.18 cw(c6697.25,6541.18) 6712.8,6541.18 6712.8,6454.57 ccw(c6719.55,6454.57) 6726.3,6454.57 6726.3,6538.25 cw(c6741.85,6538.25) 6741.85,6553.8 6748,6553.8 6870,6553.8 ccw(c6870,6558.8) 6875,6558.8 v1(6875,6575)
HPCC_B_60_N: J7.H29 U16.P18 | length 4452.4
  (L3) Inner 2 w3.5: v1(5177.17,4980.31) 5187.94,4980.31 ccw(c5187.94,4986.31) 5192.46,4982.37 ccw(c5189.81,4984.66) 5193.17,4983.68 5193.92,4986.26 cw(c5216.24,4979.76) 5193.94,4986.31 cw(c5216.24,4979.76) 5199.79,4996.18 cw(c5202.25,4993.69) 5199.84,4996.23 5200.73,4997.07 ; 5200.77,4997.11 cw(c5216.54,4980.31) 5207.19,5001.37 5207.58,5001.54 cw(c5218.14,4977.86) 5218.14,5003.79 6092.37,5003.79 ccw(c6092.37,5091.72) 6154.53,5029.53 6314.25,5189.25 ccw(c6276.21,5227.28) 6330,5227.28 6330,5315 6330,5340.35 ccw(c6323.25,5340.35) 6323.25,5347.1 6227.62,5347.1 cw(c6227.62,5362.65) 6227.62,5378.2 6323.76,5378.2 ccw(c6323.76,5384.95) 6323.76,5391.7 6227.62,5391.7 cw(c6227.62,5407.25) 6227.62,5422.8 6323.76,5422.8 ccw(c6323.76,5429.55) 6323.76,5436.3 6227.62,5436.3 cw(c6227.62,5451.85) 6227.62,5467.4 6323.76,5467.4 ccw(c6323.76,5474.15) 6323.76,5480.9 6227.62,5480.9 cw(c6227.62,5496.45) 6227.62,5512 6323.76,5512 ccw(c6323.76,5518.75) 6323.76,5525.5 6227.62,5525.5 cw(c6227.62,5541.05) 6227.62,5556.6 6323.76,5556.6 ccw(c6323.76,5563.35) 6323.76,5570.1 6227.62,5570.1 cw(c6227.62,5585.65) 6227.62,5601.2 6323.76,5601.2 ccw(c6323.76,5607.95) 6323.76,5614.7 6227.62,5614.7 cw(c6227.62,5630.25) 6227.62,5645.8 6323.25,5645.8 ccw(c6323.25,5652.55) 6330,5652.55 6330,5681 6330,6196 cw(c6438.8,6196) 6438.8,6304.8 6878.8,6304.8 ccw(c6878.8,6322) 6896,6322 6896,6330 ccw(c6879,6330) 6879,6347 ccw(c6879,6343) 6875,6343 v1(6875,6325)
HPCC_B_60_P: J7.H28 U16.R18 | length 4511.1
  (L3) Inner 2 w3.5: v1(5177.17,4940.94) 5192.13,4940.94 ccw(c5192.13,4949.16) 5200.34,4949.16 5200.34,4979.76 cw(c5216.24,4979.76) 5205,4991 cw(c5207.47,4988.52) 5205.07,4991.07 ; 5205.08,4991.07 5205.8,4991.75 cw(c5216.54,4980.31) 5210.16,4994.65 5210.58,4994.84 cw(c5218.14,4977.86) 5218.14,4996.44 5516.23,4996.44 cw(c5516.23,4993.97) 5517.98,4995.72 ccw(c5519.73,4997.47) 5519.73,4994.99 6092.37,4994.99 ccw(c6092.37,5091.72) 6160.74,5023.29 6320.47,5183.02 ; 6320.49,5183.04 ccw(c6276.21,5227.28) 6338.8,5227.28 6338.8,5315 6338.8,5340.35 ccw(c6323.25,5340.35) 6323.25,5355.9 6227.62,5355.9 cw(c6227.62,5362.65) 6227.62,5369.4 6323.76,5369.4 ccw(c6323.76,5384.95) 6323.76,5400.5 6227.62,5400.5 cw(c6227.62,5407.25) 6227.62,5414 6323.76,5414 ccw(c6323.76,5429.55) 6323.76,5445.1 6227.62,5445.1 cw(c6227.62,5451.85) 6227.62,5458.6 6323.76,5458.6 ccw(c6323.76,5474.15) 6323.76,5489.7 6227.62,5489.7 cw(c6227.62,5496.45) 6227.62,5503.2 6323.76,5503.2 ccw(c6323.76,5518.75) 6323.76,5534.3 6227.62,5534.3 cw(c6227.62,5541.05) 6227.62,5547.8 6323.76,5547.8 ccw(c6323.76,5563.35) 6323.76,5578.9 6227.62,5578.9 cw(c6227.62,5585.65) 6227.62,5592.4 6323.76,5592.4 ccw(c6323.76,5607.95) 6323.76,5623.5 6227.62,5623.5 cw(c6227.62,5630.25) 6227.62,5637 6323.25,5637 ccw(c6323.25,5652.55) 6338.8,5652.55 6338.8,5681 6338.8,6196 cw(c6438.8,6196) 6438.8,6296 6878.8,6296 ccw(c6878.8,6322) 6904.8,6322 6904.8,6330 ccw(c6879,6330) 6879,6355.8 cw(c6879,6359.8) 6875,6359.8 v1(6875,6375)